# Altium PCB Pleiades_Frouf.PcbDoc (part 6 of 12)
Units mil, origin at the board's own origin, x right, y up, seen from the top; angles counter-clockwise.
Board outline 12244.09 x 4515.28 mil, 12 copper layers (TOP, GND1, IN1, GND2, POW1, GND3, POW2, GND4, GND5, IN2, GND6, BOT), stack 63.546 mil thick; 1442 components, 702 nets, 4419 pads, 1756 vias.
Unrouted connection lines stored in the file: 1088.
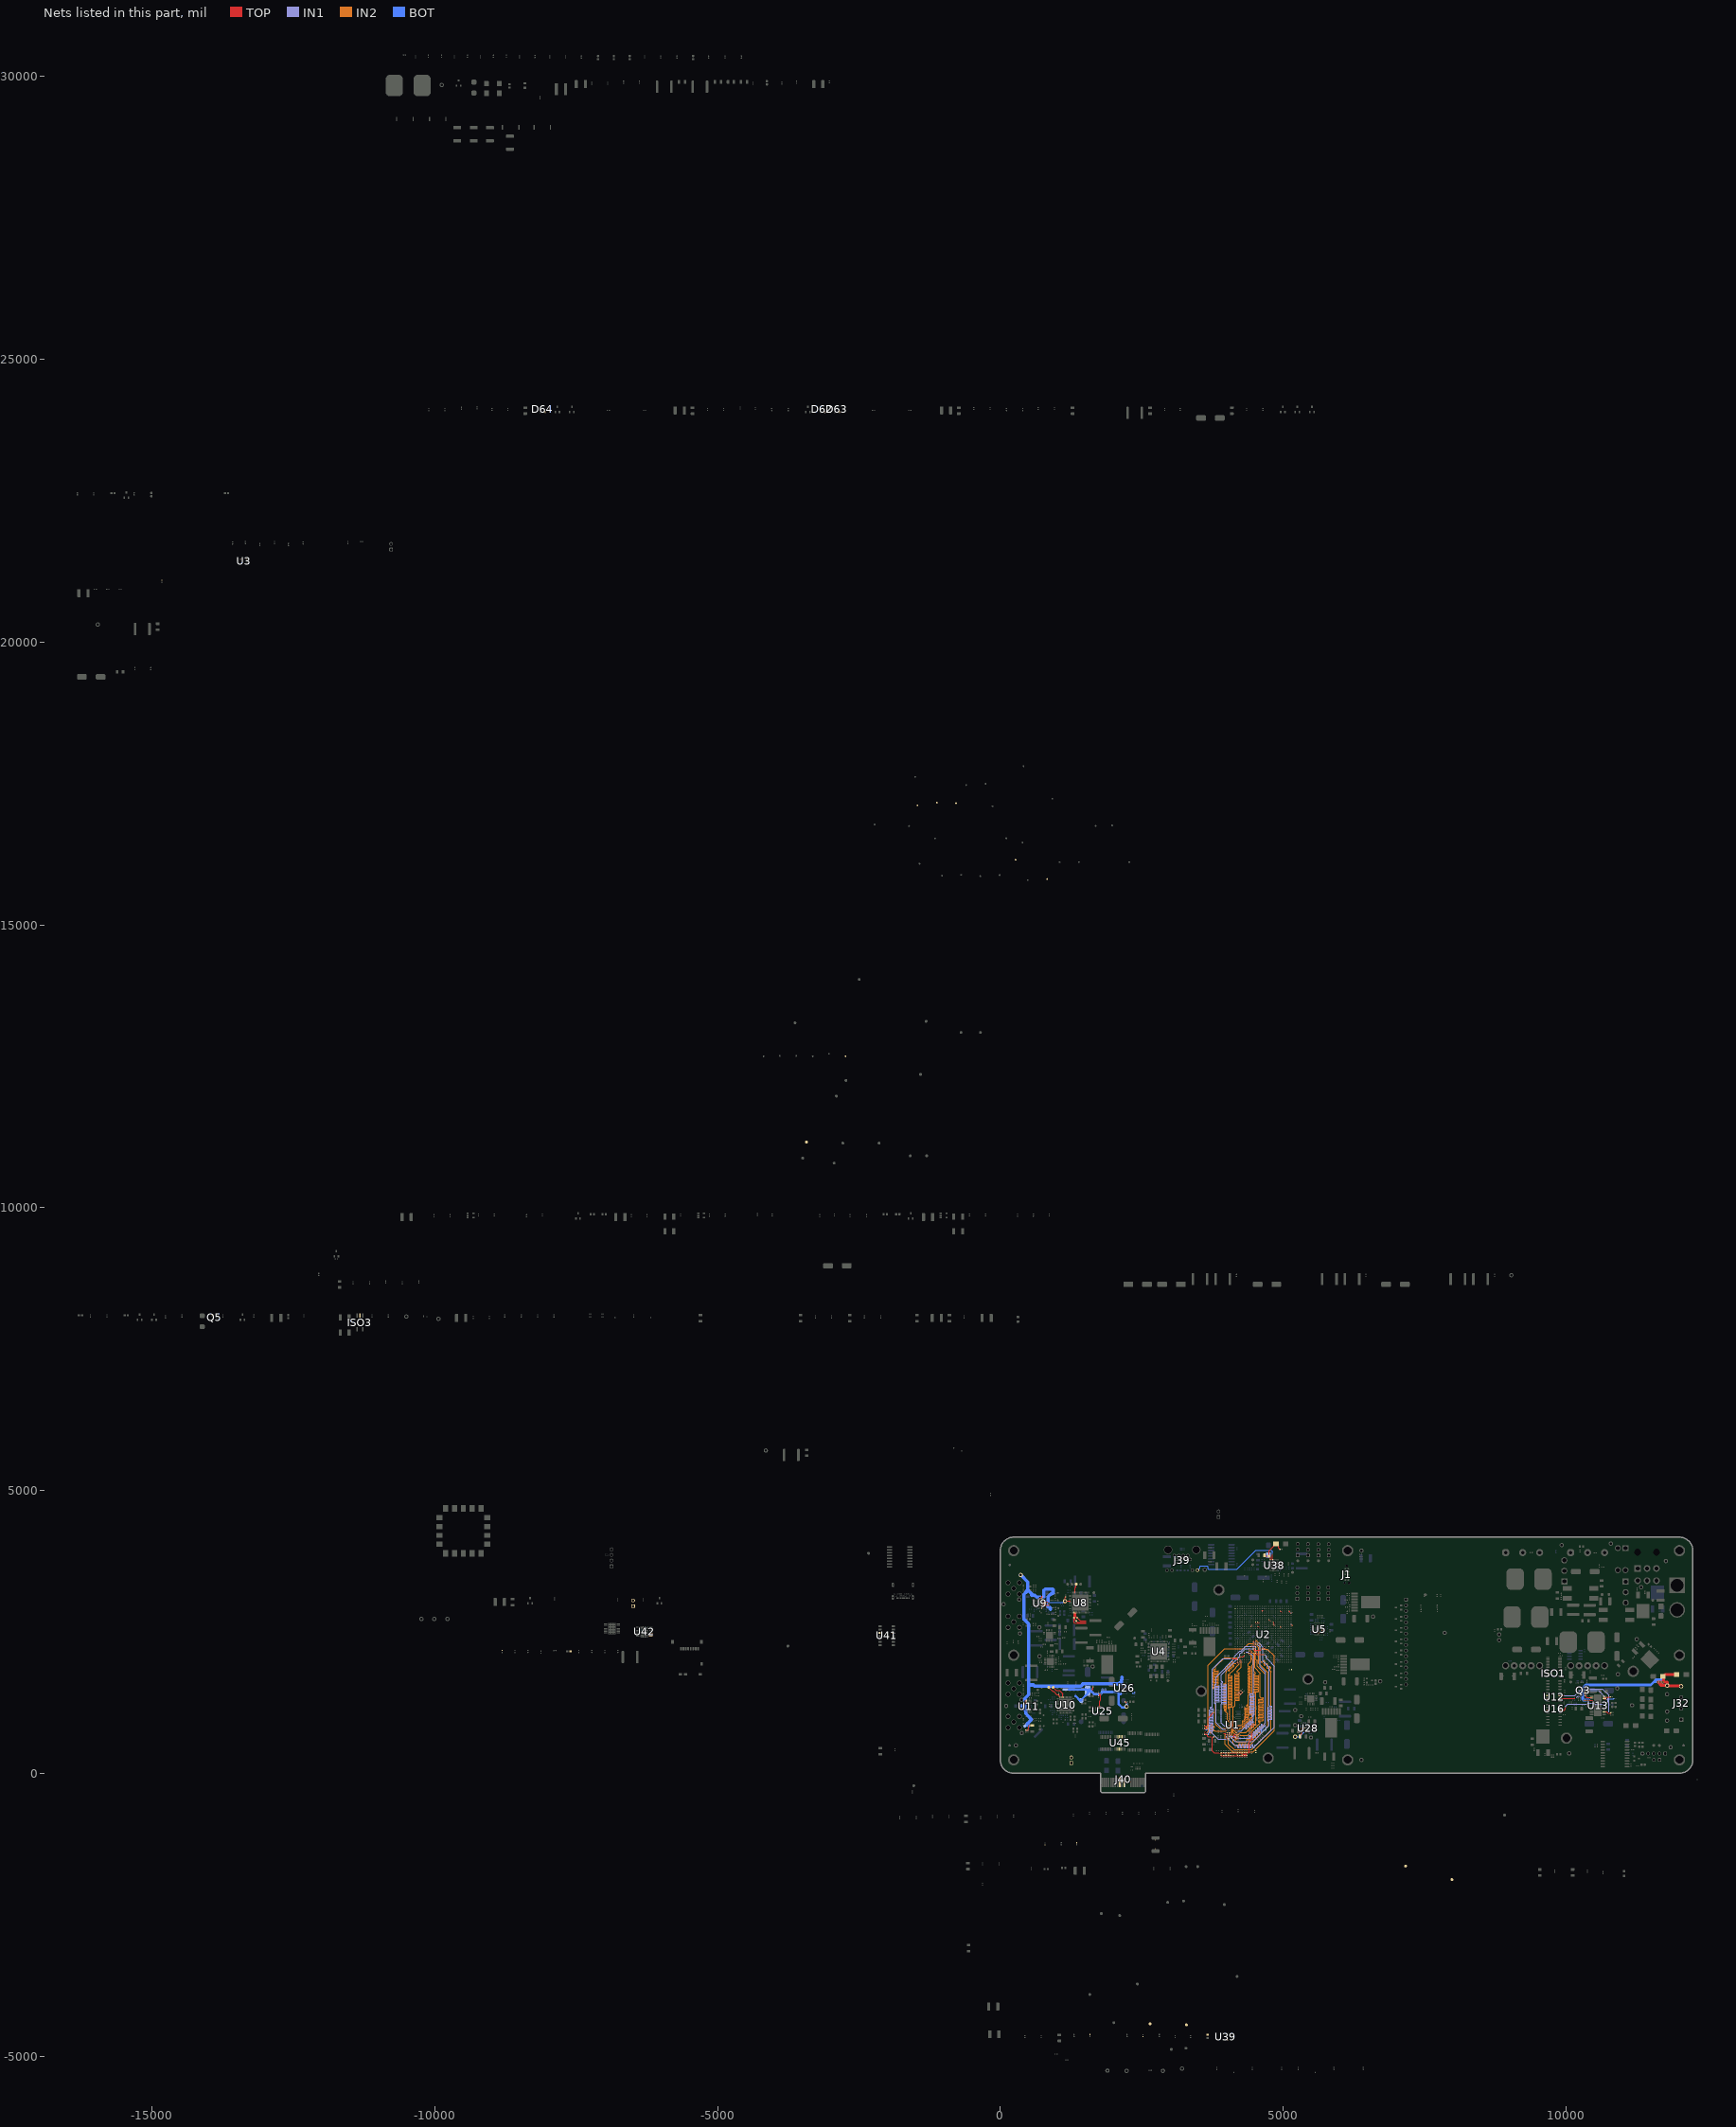
[diagram p16: the nets of this part, all layers, seen from the top]

## Via types
v1: diameter 12/18/18/18/18/18/18/18/18/18/18/12 (per signal layer), hole 6, TOP to BOT, 1113 vias
v2: diameter 20, hole 10, TOP to BOT, 363 vias
v3: diameter 19.68, hole 7.87, TOP to BOT, 110 vias
v4: diameter 25, hole 12, TOP to BOT, 67 vias
v5: diameter 40, hole 20, TOP to BOT, 48 vias
v6: diameter 22, hole 12, TOP to BOT, 27 vias
v7: diameter 12, hole 6, TOP to BOT, 19 vias
v8: diameter 19.68, hole 11.81, TOP to BOT, 9 vias

## Nets (pads, with @x,y where several pads share a name; then routed paths per layer and width w, separated by ;. In a path a pad name is that pad's centre, name@x,y a point inside that pad or via, vN(x,y) a via of type N, cw(c..) or ccw(c..) an arc to the next point about the centre after c; other vN are vias at no path point) (continued)
+VTT: C67.1 C68.1 C69.1 C70.1 C71.1 C72.1 C73.1 C74.1 C75.1 C76.1 C77.1 C78.1 C79.1 C80.1 C81.1 C82.1 C83.1 C84.1 C85.1 C86.1 C87.1 C88.1 C89.1 C90.1 C91.1 C92.1 C93.2 C94.1 C95.1 C96.1 C97.1 C98.1 C445.1 C446.1 C447.1 C448.1 C449.1 R15.2 R16.2 R17.2 R18.2 R19.2 R20.2 R21.2 R22.2 R23.2 R24.2 R25.2 R26.2 R27.2 R28.2 R29.2 R30.2 R31.2 R32.2 R34.2 R35.2 R36.2 R38.2 R39.2 R40.2 R41.2 R43.2 R44.2 R319.1 TP109.1 U28.3 U28.5 | length 4457.2
  TOP w6: R18.2@3669.65,730 3627.8,730 3624.28,726.49 3624.28,698.34 C74.1@3612.5,686.55 R21.2@3667.95,686.55 3667.95,653.16 3676.75,644.35 C87.1@3772.51,644.35 3751.58,623.42 3751.58,395.02 3783.85,362.75 v1(3881.5,362.75) R31.2@3907.46,362.75 ; R22.2@3669.95,795.26 C69.1@3612.5,795.26 C72.1@3612.5,840.4 R26.2@3669.65,840.4 3669.65,971.67 C88.1@3775.1,1077.12 ; R30.2@4248.25,1395.78 R30.2@4248.25,1396.08 ; C71.1@4256.04,1460.73 4255.07,1460.73 4219.97,1425.62 R28.2@4219,1425.62 4219,1425.33 R30.2@4248.25,1396.08 ; C82.1@4282.99,1431.35 4282.99,1430.93 4248.25,1396.2 R30.2@4248.25,1396.08 ; v1(4360.3,338.69) 4359.99,339 4359.99,362.44 R27.2@4359.68,362.75 ; C90.1@4430.58,658.61 4436.3,658.61 4438.59,660.9 4438.59,666.61 4453.78,681.8 ; C67.1@4441.44,808.19 4441.44,809.28 4450.85,818.69 4450.85,860.55 C68.1@4491.25,860.55 ; v1(4453.78,723.01) 4453.78,681.8 ; C446.1@5273.51,750.12 5324.29,750.12 5332.25,758.08 v1(5333.88,758.08) ; C445.1@5299.38,651.92 5299.38,661.92 5333.88,696.42 v1(5333.88,758.08) ; U28.5@5379.88,758.18 5379.78,758.08 v1(5333.88,758.08) ; U28.3@5379.88,797.55 5337.39,797.55 5333.88,794.03 v1(5333.88,758.08) ; R31.2@3907.46,362.75 3906.09,361.38 3906.09,315.21 C84.1@3904.72,313.84 C83.1@3947.74,313.84 C94.1@3990.67,313.84 ; R31.2@3907.46,362.75 R34.2@3949.07,362.75 R40.2@3990.67,362.75 ; C94.1@3990.67,313.84 3990.56,313.95 3990.56,338.58 v1(3990.45,338.69) 3990.56,338.8 3990.56,362.64 R40.2@3990.67,362.75 ; C94.1@3990.67,313.84 C97.1@4033.31,313.84 ; R40.2@3990.67,362.75 R16.2@4032.28,362.75 ; R16.2@4032.28,362.75 4033.21,361.82 4033.21,339.62 v1(4034.14,338.69) 4033.73,338.28 4033.73,314.25 C97.1@4033.31,313.84 ; R16.2@4032.28,362.75 R44.2@4073.88,362.75 R24.2@4115.49,362.75 R35.2@4154.46,362.75 R17.2@4193,362.75 ; C97.1@4033.31,313.84 C95.1@4074.54,313.84 C73.1@4118.91,313.84 C75.1@4195.19,313.84 ; R17.2@4193,362.75 4192.84,362.59 4192.84,338.34 v1(4192.68,338.18) 4192.68,336.56 4195.19,334.05 C75.1@4195.19,313.84 ; R17.2@4193,362.75 R36.2@4234.61,362.75 R43.2@4276.22,362.75 ; C75.1@4195.19,313.84 C70.1@4233.42,313.84 C86.1@4275.28,313.84 ; v1(4274.3,338.18) 4274.79,337.69 4274.79,314.33 C86.1@4275.28,313.84 ; v1(4274.3,338.18) 4275.26,339.14 4275.26,361.79 R43.2@4276.22,362.75 ; v1(4274.3,338.18) 4333.43,338.18 C81.1@4357.77,313.84 C92.1@4317.82,313.84 C86.1@4275.28,313.84 ; R43.2@4276.22,362.75 R32.2@4317.82,362.75 R27.2@4359.68,362.75 ; R27.2@4359.68,362.75 4391.99,362.75 4398.14,368.9 C80.1@4398.14,576.16 4423.58,576.16 4453.78,606.36 4453.78,681.8
  BOT w6: C78.1@3636.93,689.49 R25.2@3678.92,689.49 3678.92,706.92 C89.1@3704.15,732.15 3684.07,752.23 3684.07,766 R39.2@3678.92,771.15 ; C77.1@3636.93,771.15 R39.2@3678.92,771.15 ; R20.2@3678.92,856.38 R39.2@3678.92,771.15 ; C85.1@3990.24,314.63 3990.45,314.85 v1(3990.45,338.69) 3990.45,362.53 R29.2@3990.67,362.75 ; C79.1@4033.2,314.63 4034.14,315.57 v1(4034.14,338.69) 4034.14,361.81 R19.2@4035.08,362.75 ; C98.1@4436.28,631.62 4435.93,631.27 4394.86,631.27 4394.5,631.62 R41.2@4394.5,673.51 C91.1@4436.28,673.51 4453.78,691.01 v1(4453.78,723.01) ; R38.2@4580.4,727.95 C76.1@4618.6,727.95 4618.6,752.23 4630.89,764.52 C96.1@4697,764.52 4697,804.19 C93.2@4707.6,814.8 ; TP109.1@5212.11,647.55 5295.01,647.55 C447.1@5299.38,651.92 5299.38,660.56 5318.19,679.37 5324.83,679.37 C448.1@5362.38,716.92 C449.1@5362.38,758.18 5362.33,758.13 v1(5333.88,758.08) v1(5333.88,758.08)
  other v1: 3906.09,338.29 3744.79,644.35 3624.28,712.41 3640.58,730 3612.5,817.83 4241.4,1437.1
+VTT_VOLT_23: R319.2 TP152.1 U41.13
-5V0A: C250.1 C251.1 C252.1 C253.1 C254.1 C255.1 C256.1 C266.1 C267.1 C268.1 C269.1 C270.1 C271.1 C272.1 C338.1 C339.1 C340.1 C341.1 C410.1 C424.1 C425.1 C426.1 C427.1 R216.1 TP104.1 U9.15 U9.16 U9.21 U9.22 U11.4 U26.1 U26.20 | length 6492.7
  TOP w6: U11.4@456.5,1244.25 461.01,1248.75 U11.4@461.01,1264.69 461.01,1272.58 U11.4@456.5,1277.09 ; U9.22@693.19,3082.5 693.19,3094.81 697.39,3099.02 697.39,3102.36 703.03,3108 v1(703.03,3109.45) 712.51,3099.97 712.51,3082.85 U9.21@712.87,3082.5 ; U9.15@783.74,2991.94 796.06,2991.94 800.28,2996.17 805.15,2996.17 810.78,3001.8 v1(812.24,3001.8) 802.77,3011.27 784.1,3011.27 U9.16@783.74,3011.63
  TOP w12: v1(432.8,1244.25) U11.4@456.5,1244.25 ; v1(432.8,1277.09) U11.4@456.5,1277.09
  TOP w20: C426.1@452.41,763.01 488.99,763.01 C427.1@491.48,760.52 491.48,790.51 499.04,798.06 499.04,839.42 v4(500,840.37) 501.35,840.37 503.21,842.23 561.1,842.23 C425.1@562.39,843.52
  BOT w60: TP104.1@362.57,3505 485.6,3381.97 C266.1@485.6,3231.05 ; C338.1@377.87,1190 427.41,1190 432.8,1195.39 ; 499.15,1388.44 432.8,1322.09 v1(432.8,1277.09) v1(432.8,1244.25) 432.8,1195.39 ; v4(500,840.37) 480.62,859.76 480.62,877.3 C424.1@493.18,889.86 545.4,942.08 545.4,959.62 452.41,1052.61 452.41,1101.54 441.86,1112.08 441.41,1112.08 C339.1@429.41,1124.08 432.8,1127.47 432.8,1195.39 ; 500,1389.29 500,1539.66 ; 500,1540.86 500,1542.8 ; C267.1@556.67,3145.46 556.67,3169.98 ; C269.1@766.24,3113.46 766.24,3229.43 791.8,3255 928,3255 933,3250 C250.1@933,3195 933,3190.31 914.19,3171.5 897.72,3171.5 C251.1@847.24,3121.01 844.87,3118.64 844.87,3080.83 C253.1@842.5,3078.46 842.5,3045.55 828.26,3031.31 C272.1@801.24,3031.31 801.24,3012.8 v1(812.24,3001.8) 811.09,3000.66 811.09,2992.31 800,2981.22 C271.1@800,2980.13 816.89,2980.13 847.24,2949.78 C254.1@847.24,2939.37 869.24,2939.37 887.5,2921.11 C268.1@887.5,2896.02 ; U26.20@2097.02,1557.63 2097.02,1585.05 ; C410.1@2148.46,1697.68 R216.1@2148.46,1655.89 2144.46,1651.89 2144.46,1634.78 2139.44,1629.76 2139.44,1597.8 2140.33,1596.91 2139.44,1596.02 2107.99,1596.02 2097.02,1585.05 ; C266.1@485.6,3231.05 495.6,3231.05 556.67,3169.98 ; C266.1@485.6,3231.05 475.6,3231.05 463.6,3219.05 463.6,3209.05 415.98,3161.43 415.98,2724.17 500,2640.15 500,1542.8 ; 500,1542.8 519.05,1561.85 582.4,1561.85 601.45,1542.8 1425.5,1542.8 1467.75,1585.05 2097.02,1585.05 ; 556.67,3169.98 580.25,3146.4 C252.1@599.82,3146.4 608.3,3146.4 C270.1@641.24,3113.46 663.88,3113.46 ; 663.88,3113.46 v1@708.66,3113.46 ; 663.88,3113.46 C256.1@681.38,3095.96 ; C256.1@681.38,3095.96 C255.1@724.68,3095.96 ; C256.1@681.38,3095.96 694.5,3109.09 702.66,3109.09 v1(703.03,3109.45) ; v1(703.03,3109.45) 704.65,3109.45 v1@708.66,3113.46 ; v1(703.03,3109.45) 703.4,3109.09 711.55,3109.09 C255.1@724.68,3095.96 ; v1@708.66,3113.46 742.18,3113.46 ; C255.1@724.68,3095.96 736.71,3095.96 754.21,3113.46 742.18,3113.46 ; C255.1@724.68,3095.96 742.18,3113.46
-5V0A_EN: R215.2 R217.1 U2.AA24 | length 76.4
  TOP w6: U2.AA24@4944.88,2870.08 4966.22,2848.74 v1(4966.22,2845)
  BOT w6: R217.1@2337.44,1418.17 2365.01,1418.17 2374.38,1427.53 R215.2@2376,1427.53
-6V: C415.1 C416.1 C417.1 C418.1 C419.1 C421.1 C422.1 C423.1 R320.2 TP102.1 U25.5 U26.15 U26.16 | length 2420.8
  TOP w12: v1(1612.52,1485.56) 1632.26,1485.56 1639.29,1492.59 C422.1@1639.29,1525.7 ; C418.1@1737.6,1408.57 1746.01,1400.15 v1@1769.85,1400.15 ; C419.1@1737.83,1368.13 v1@1769.85,1400.15 ; C421.1@1754.12,1165.22 1754.12,1271.63 1777.5,1295.01 v1(1777.5,1400.15) v1@1769.85,1400.15 ; R320.2@2206.4,1264.4 2230.89,1239.92 v1(2230.89,1232.92)
  BOT w20: 2088.14,1446.39 U26.16@2097.02,1455.27 ; 2130.65,1402.28 2137.22,1402.28 2140.33,1405.39 U26.15@2140.33,1411.96
  BOT w40: C416.1@1210.07,1479.87 1524,1479.87 C415.1@1544.58,1459.29 ; C423.1@1330.99,1364.06 1332.52,1364.06 1409.73,1286.86 U25.5@1429.48,1286.86 1429.48,1296.83 1544.58,1411.92 C415.1@1544.58,1459.29 ; v1(1612.52,1485.56) 1570.85,1485.56 C415.1@1544.58,1459.29 ; v1(1810.24,1479.87) 1810.24,1454.59 C417.1@1826.34,1438.49 ; v1(1857.83,1479.87) 1857.83,1454.59 C417.1@1873.93,1438.49 ; 2130.65,1402.28 2123.56,1395.19 2101.34,1395.19 2094.74,1401.78 ; v1(2230.89,1232.92) TP102.1@2230.89,1179.99 2216,1179.99 2199.22,1163.22 2149.8,1163.22 2094.74,1218.27 2094.74,1401.78 ; C415.1@1544.58,1459.29 1557.4,1446.47 1612.52,1446.47 1658.84,1400.15 v1(1777.5,1400.15) 1789.58,1412.23 1789.58,1422.39 1805.68,1438.49 C417.1@1826.34,1438.49 ; C417.1@1826.34,1438.49 C417.1@1873.93,1438.49 ; C417.1@1873.93,1438.49 C417.1@1887.83,1438.49 2080.24,1438.49 2088.14,1446.39 2088.14,1408.38 2094.74,1401.78
-6V0_CURR_23: TP150.1 U41.12 U42.8
-6V_EN: R212.2 R213.1 U2.T20 | length 31.3
  TOP w6: U2.T20@4748.03,2712.6 4767.3,2693.33 v1(4771.3,2693.33)
-6V_SHUNT_17_+: NT43.2 U42.9
-6V_SHUNT_17_-: NT42.2 U42.10
\CAS: NT8.2 U1.K3 U2.K6 | length 3142.2
  TOP w8.89: U1.K3@4047.24,811.02 4048.56,812.34 4057.76,812.34 4062.32,816.9 v1(4063.16,816.9) ; U2.K6@4511.81,2161.42 4514.2,2161.42 v1@4524.88,2150.74
  IN1 w5.75: v1(4063.16,816.9) 4028.09,781.82 3930.24,781.82 3815,897.06 3815,1218.94 3815,1221.81 ccw(c3802.12,1221.81) 3802.12,1234.69 3797.4,1234.69 cw(c3797.4,1247.57) 3797.4,1260.45 3859.42,1260.45 ccw(c3859.42,1273.32) 3859.42,1286.2 3797.4,1286.2 cw(c3797.4,1299.08) 3797.4,1311.96 3859.42,1311.96 ccw(c3859.42,1324.83) 3859.42,1337.71 3797.4,1337.71 cw(c3797.4,1350.59) 3797.4,1363.47 3859.42,1363.47 ccw(c3859.42,1376.34) 3859.42,1389.22 3797.4,1389.22 cw(c3797.4,1402.1) 3797.4,1414.97 3859.42,1414.97 ccw(c3859.42,1427.85) 3859.42,1440.73 3797.4,1440.73 cw(c3797.4,1453.61) 3797.4,1466.48 3859.42,1466.48 ccw(c3859.42,1479.36) 3859.42,1492.24 3797.4,1492.24 cw(c3797.4,1505.12) 3797.4,1517.99 3859.42,1517.99 ccw(c3859.42,1530.87) 3859.42,1543.75 3800.61,1543.75 cw(c3800.61,1556.62) 3800.61,1569.5 3802.12,1569.5 ccw(c3802.12,1582.38) 3815,1582.38 3815,1613.9 3815,1702.36 4143.02,2030.37 4143.02,2065.47 4236.98,2159.44 4256.47,2159.44 4276.04,2179.01 4276.04,2186.77 4289.26,2199.98 4297.23,2199.98 4314.45,2217.21 4314.45,2223.66 4330.79,2240 4497.83,2240 4516.35,2221.48 4516.35,2163.79 v1(4530,2150.14)
\CE: R60.2 U2.AF23 U5.B4 | length 46.1
  TOP w6: U2.AF23@5141.73,2830.71 5156.02,2845 v1(5159.34,2845) ; U5.B4@5624.51,2468.18 5638.09,2481.76 v1(5638.09,2485.17)
\CEO: U2.AF18 U5.D2 | length 49.9
  TOP w6: U2.AF18@5141.73,2633.86 5141.73,2633.27 v1(5160,2615) ; U5.D2@5687.5,2531.17 5688.75,2531.17 v1(5704.5,2546.92)
\CF: U2.AA17 U5.D1 | length 50.4
  TOP w6: U2.AA17@4944.88,2594.49 4960,2579.37 v1(4960,2572.44) ; v1(5704.5,2515.07) 5719,2529.58 U5.D1@5719,2531.17
\CS: TP76.1 U2.R3 U10.33 | length 292.7
  TOP w6: TP76.1@935,1518.36 987.74,1465.62 1043.89,1465.62 1105.94,1403.56 U10.33@1105.94,1345 ; U2.R3@4708.66,2043.31 4710.22,2043.31 4719.05,2052.14 v1(4720.61,2052.14)
\DDR_CS: NT4.2 U1.L2 U2.K8 | length 3065.4
  TOP w8.89: v1(3999.54,764.95) 4000.35,764.95 4014.94,779.53 U1.L2@4015.75,779.53 ; v1(4493.23,2260.98) 4493.82,2260.38 4493.82,2258.15 U2.K8@4511.81,2240.16
  IN2 w5.75: v1(3999.54,764.95) 3999.54,763.32 3980.2,743.98 3797.04,743.98 3787.7,753.32 3785.66,755.36 ccw(c3776.56,746.25) 3767.45,755.36 3730.95,718.85 cw(c3721.84,727.96) 3712.74,718.85 cw(c3721.84,727.96) 3712.74,737.07 3784.6,808.93 ccw(c3775.49,818.03) 3784.6,827.14 ccw(c3775.49,818.03) 3766.39,827.14 3694.52,755.28 cw(c3685.42,764.38) 3676.31,755.28 cw(c3685.42,764.38) 3676.31,773.49 3748.17,845.35 ccw(c3739.07,854.45) 3748.17,863.56 ccw(c3739.07,854.45) 3729.96,863.56 3658.79,792.39 cw(c3649.69,801.5) 3640.58,792.39 cw(c3649.69,801.5) 3640.58,810.6 3676.4,846.42 ccw(c3667.29,855.52) 3676.4,864.63 3675,866.02 3675,897.06 3675,1905 3969.98,2199.98 4297.23,2199.98 4314.45,2217.21 4314.45,2223.66 4331.68,2240.88 4339.9,2240.88 4389.65,2290.63 4465.11,2290.63 4493.23,2262.51 v1(4493.23,2260.98)
\DDR_RESET: NT18.2 U1.T2 U2.B2 | length 3142.2
  TOP w8.89: v1(4003.75,600) 4004.35,600.59 4004.35,608.79 4015.75,620.19 U1.T2@4015.75,622.05 ; v1(4084.87,2026.43) 4174.36,2026.43 U2.B2@4196.85,2003.94
  IN1 w5.75: v1(4003.75,600) 3852.47,600 3750,702.47 3750,714.18 3750,717.06 ccw(c3737.12,717.06) 3737.12,729.93 3701.45,729.93 cw(c3701.45,742.81) 3701.45,755.69 3754.71,755.69 ccw(c3754.71,768.57) 3754.71,781.44 3701.45,781.44 cw(c3701.45,794.32) 3701.45,807.2 3754.71,807.2 ccw(c3754.71,820.07) 3754.71,832.95 3701.45,832.95 cw(c3701.45,845.83) 3701.45,858.71 3754.71,858.71 ccw(c3754.71,871.58) 3754.71,884.46 3701.45,884.46 cw(c3701.45,897.34) 3701.45,910.22 3754.71,910.22 ccw(c3754.71,923.09) 3754.71,935.97 3701.45,935.97 cw(c3701.45,948.85) 3701.45,961.72 3754.71,961.72 ccw(c3754.71,974.6) 3754.71,987.48 3701.45,987.48 cw(c3701.45,1000.36) 3701.45,1013.23 3754.71,1013.23 ccw(c3754.71,1026.11) 3754.71,1038.99 3701.45,1038.99 cw(c3701.45,1051.87) 3701.45,1064.74 3754.71,1064.74 ccw(c3754.71,1077.62) 3754.71,1090.5 3701.45,1090.5 cw(c3701.45,1103.38) 3701.45,1116.25 3754.71,1116.25 ccw(c3754.71,1129.13) 3754.71,1142.01 3722.86,1142.01 cw(c3722.86,1154.88) 3722.86,1167.76 3737.12,1167.76 ccw(c3737.12,1180.64) 3750,1180.64 3750,1298.27 3750,1845 3931.43,2026.43 v1(4084.87,2026.43)
\ENABLE_12: R150.2 U12.6 U13.26 | length 1140.6
  TOP w8: U12.6@9891.65,1324.41 U12.6@9895.07,1324.41 10155.62,1324.41 v1(10167.6,1336.39) ; U13.26@10677.26,1316.04 v1(10723.07,1316.04)
  IN1 w8: v1(10167.6,1336.39) 10183.04,1336.39 10214.43,1367.78 10253.18,1367.78 10277.21,1391.81 10277.21,1430.56 10308.6,1461.95 10577.16,1461.95 v1(10723.07,1316.04)
  BOT w8: v1(10723.07,1316.04) 10723.57,1316.55 10845.42,1316.55 R150.2@10845.92,1317.05
\ENABLE_ISO: U2.K19 U12.3 | length 29.7
  TOP w6: U2.K19@4511.81,2673.23 v1(4531.07,2653.96) v1@4531.07,2651.5
\HOME_12: Q3.1 R159.2 U13.2 | length 185.2
  TOP w8: Q3.1@10346.03,1425.58 10339.3,1418.85 R159.2@10339.3,1374.11 10371.78,1341.63 U13.2@10456.79,1341.63
\HOME_ISO: ISO1.4 U2.L17 | length 24.3
  TOP w6: U2.L17@4551.18,2594.49 4551.18,2592.95 v1(4567.28,2576.85)
\IRQ: U2.N7 U10.34 | length 40.1
  TOP w6: U2.N7@4629.92,2200.79 4648.48,2219.34 4660.73,2219.34 v1(4661.88,2220.49)
\PCI_PERST_16: D63.2 J40.A11 TP186.1 U45.5
\PCI_RST: J22.2 R64.2
\PCI_TRST: J22.1 U45.14
\PCI_TRST_16: D62.2 J40.B9 TP185.1 U45.4 | length 93.7
  TOP w6: J40.B9@2112.2,-161.42 2112.2,-72.7 v7(2112.2,-67.74)
\PCI_WAKE_16: D64.2 J40.B11 TP187.1 U45.3 | length 93.7
  TOP w6: J40.B11@2190.94,-161.42 2190.94,-72.7 v7(2190.94,-67.74)
\PD2_10: U9.14 U9.20 | length 422.6
  TOP w6: U9.20@732.56,3082.5 v1(732.56,3142.52) ; U9.14@783.74,2972.26 859.47,2972.26 v1(864.18,2967.55)
  IN1 w3.5: v1(732.56,3142.52) 750.16,3124.92 750.16,2994.97 777.59,2967.55 v1(864.18,2967.55)
\PERST_PCI: TP167.1 U2.V18 U45.12 | length 30.8
  TOP w6: U2.V18@4826.77,2633.86 4827.52,2633.86 v1(4848.78,2612.6)
\PLL_SYNC: TP22.1 U2.H17 U4.14 | length 27.3
  TOP w6: U2.H17@4433.07,2594.49 4449.55,2610.97 v1(4449.55,2615)
\PRSNT_PCI: TP168.1 U2.AE24 U45.11 | length 33.5
  TOP w6: U2.AE24@5102.36,2870.08 5122.68,2849.76 v1(5122.68,2845)
\RAS: NT6.2 U1.J3 U2.K7 | length 3127.2
  TOP w8.89: v1(4032.13,828.22) 4032.54,828.22 4046.84,842.52 U1.J3@4047.24,842.52 ; v1(4493.82,2218.78) U2.K7@4511.81,2200.79
  IN1 w5.75: v1(4032.13,828.22) 4018.95,841.4 3953.6,841.4 3905,890 3905,1192.37 3905,1221.01 cw(c3917.88,1221.01) 3917.88,1233.88 3987.47,1233.88 ccw(c3987.47,1246.76) 3987.47,1259.64 3913.23,1259.64 cw(c3913.23,1272.51) 3913.23,1285.39 3987.47,1285.39 ccw(c3987.47,1298.27) 3987.47,1311.15 3913.23,1311.15 cw(c3913.23,1324.02) 3913.23,1336.9 3987.47,1336.9 ccw(c3987.47,1349.78) 3987.47,1362.66 3913.23,1362.66 cw(c3913.23,1375.53) 3913.23,1388.41 3987.47,1388.41 ccw(c3987.47,1401.29) 3987.47,1414.16 3913.23,1414.16 cw(c3913.23,1427.04) 3913.23,1439.92 3987.47,1439.92 ccw(c3987.47,1452.8) 3987.47,1465.67 3913.23,1465.67 cw(c3913.23,1478.55) 3913.23,1491.43 3987.47,1491.43 ccw(c3987.47,1504.31) 3987.47,1517.18 3913.23,1517.18 cw(c3913.23,1530.06) 3913.23,1542.94 3984.11,1542.94 ccw(c3984.11,1555.81) 3984.11,1568.69 3913.23,1568.69 cw(c3913.23,1581.57) 3913.23,1594.45 3917.88,1594.45 ccw(c3917.88,1607.32) 3917.88,1620.2 cw(c3917.88,1633.08) 3905,1633.08 3905,1727.05 3905,1741.42 4233.41,2069.83 4233.41,2106.28 4252.82,2125.68 4262.83,2125.68 4337.84,2200.7 4477.1,2200.7 4493.82,2217.42 v1(4493.82,2218.78)
\RESET_12: R151.2 U12.7 U13.17 | length 1401.3
  TOP w8: U12.7@9895.07,1374.11 9895.36,1374.41 v1(9959.81,1374.41) ; U13.17@10677.26,1085.73 10721.72,1085.73 10740.67,1066.78 v1(10759.52,1066.78) 10760.29,1067.55 10791.82,1067.55 R151.2@10795.14,1070.87
  IN1 w8: v1(9959.81,1374.41) 10159.07,1374.41 10277.7,1493.04 10646.77,1493.04 10759.52,1380.28 v1(10759.52,1066.78)
\RESET_ISO: U2.L19 U12.2 | length 27.9
  TOP w6: U2.L19@4551.18,2673.23 v1(4569.92,2654.49) v1@4569.92,2653.12
\RST_DAC: R129.2 TP75.1 U2.P7 U10.36 | length 304.5
  TOP w6: TP75.1@856.31,1518.36 929.84,1444.84 946.98,1444.84 999.16,1392.66 R129.2@1030.61,1392.66 1030.61,1381.85 1045.93,1366.54 1045.93,1345.96 U10.36@1046.89,1345 ; U2.P7@4669.29,2200.79 4669.29,2202.3 v1(4685,2218.01)
\RST_ETH_15: C509.1 D42.1 D43.1 R295.2 TP134.1 U38.32 | length 556.1
  TOP w6: C509.1@4671.62,3852.08 4685.32,3838.37 TP134.1@4750.45,3838.37 ; U38.32@4775.12,3774.83 4775.12,3813.7 TP134.1@4750.45,3838.37 ; R295.2@4943.84,3960.05 4921.84,3982.05 4921.84,4015.08 4882.34,4054.58 D42.1@4876.34,4054.58 4870.34,4054.58 4750.45,3934.69 TP134.1@4750.45,3838.37
\SENSE_CS: R310.2 U41.31
\SLEEP_12: R154.1 U13.27 U16.6 | length 1179.3
  TOP w8: U16.6@9876.16,1114.09 9972.02,1114.09 9994.66,1136.73 v1(9994.66,1164.98) ; U13.27@10677.26,1341.63 v1(10724.07,1341.63) 10742.67,1341.63 10751.92,1350.89 R154.1@10785.74,1350.89
  IN1 w8: v1(9994.66,1164.98) 9994.66,1183.06 10030.34,1218.74 10369.19,1218.74 10388.99,1238.54 10492.71,1238.54 10507.36,1223.89 10704.74,1223.89 10745.71,1264.86 10745.71,1336.95 10741.02,1341.63 v1(10724.07,1341.63)
\SLEEP_ISO: U2.N24 U16.3 | length 27.7
  TOP w6: U2.N24@4629.92,2870.08 4648.78,2888.94 v1(4648.78,2890)
\TAG_RST: J12.2 R65.2
\TAG_TRST_7: J1.9 J12.1
\VBUS_DETECT_14: ISO3.4 Q5.1
\WAKE_PCI: TP166.1 U2.V19 U45.13 | length 26.1
  TOP w6: U2.V19@4826.77,2673.23 4842.85,2657.15 v1(4846.22,2657.15)
\WDT_EN: R54.2 U2.A25 U3.3
\WE: NT10.2 U1.L3 U2.E4 | length 3065.4
  TOP w8.89: U1.L3@4047.24,779.53 4049.1,779.53 4062.97,793.4 4063.36,793.4 4063.97,792.8 4073.94,792.8 v1(4074.54,792.2) ; v1(4255.24,2062.36) 4294.65,2062.36 U2.E4@4314.96,2082.68
  IN2 w5.75: v1(4074.54,792.2) 3882.14,792.2 3810,864.35 3810,1485.42 3810,1488.3 ccw(c3797.12,1488.3) 3797.12,1501.18 3772.88,1501.18 cw(c3772.88,1514.06) 3772.88,1526.93 3847.12,1526.93 ccw(c3847.12,1539.81) 3847.12,1552.69 3772.88,1552.69 cw(c3772.88,1565.56) 3772.88,1578.44 3847.12,1578.44 ccw(c3847.12,1591.32) 3847.12,1604.2 3772.88,1604.2 cw(c3772.88,1617.07) 3772.88,1629.95 3847.12,1629.95 ccw(c3847.12,1642.83) 3847.12,1655.71 3772.88,1655.71 cw(c3772.88,1668.58) 3772.88,1681.46 3847.12,1681.46 ccw(c3847.12,1694.34) 3847.12,1707.21 3772.88,1707.21 cw(c3772.88,1720.09) 3772.88,1732.97 3847.12,1732.97 ccw(c3847.12,1745.85) 3847.12,1758.72 3772.88,1758.72 cw(c3772.88,1771.6) 3772.88,1784.48 3847.12,1784.48 ccw(c3847.12,1797.36) 3847.12,1810.23 3781.99,1810.23 cw(c3781.99,1823.11) 3781.99,1835.99 3797.12,1835.99 ccw(c3797.12,1848.87) 3810,1848.87 3810,1875.72 3810,1890 3963.31,2043.31 4236.19,2043.31 v1(4255.24,2062.36)